# Allegro board FMDEMOD-57.brd (continued)
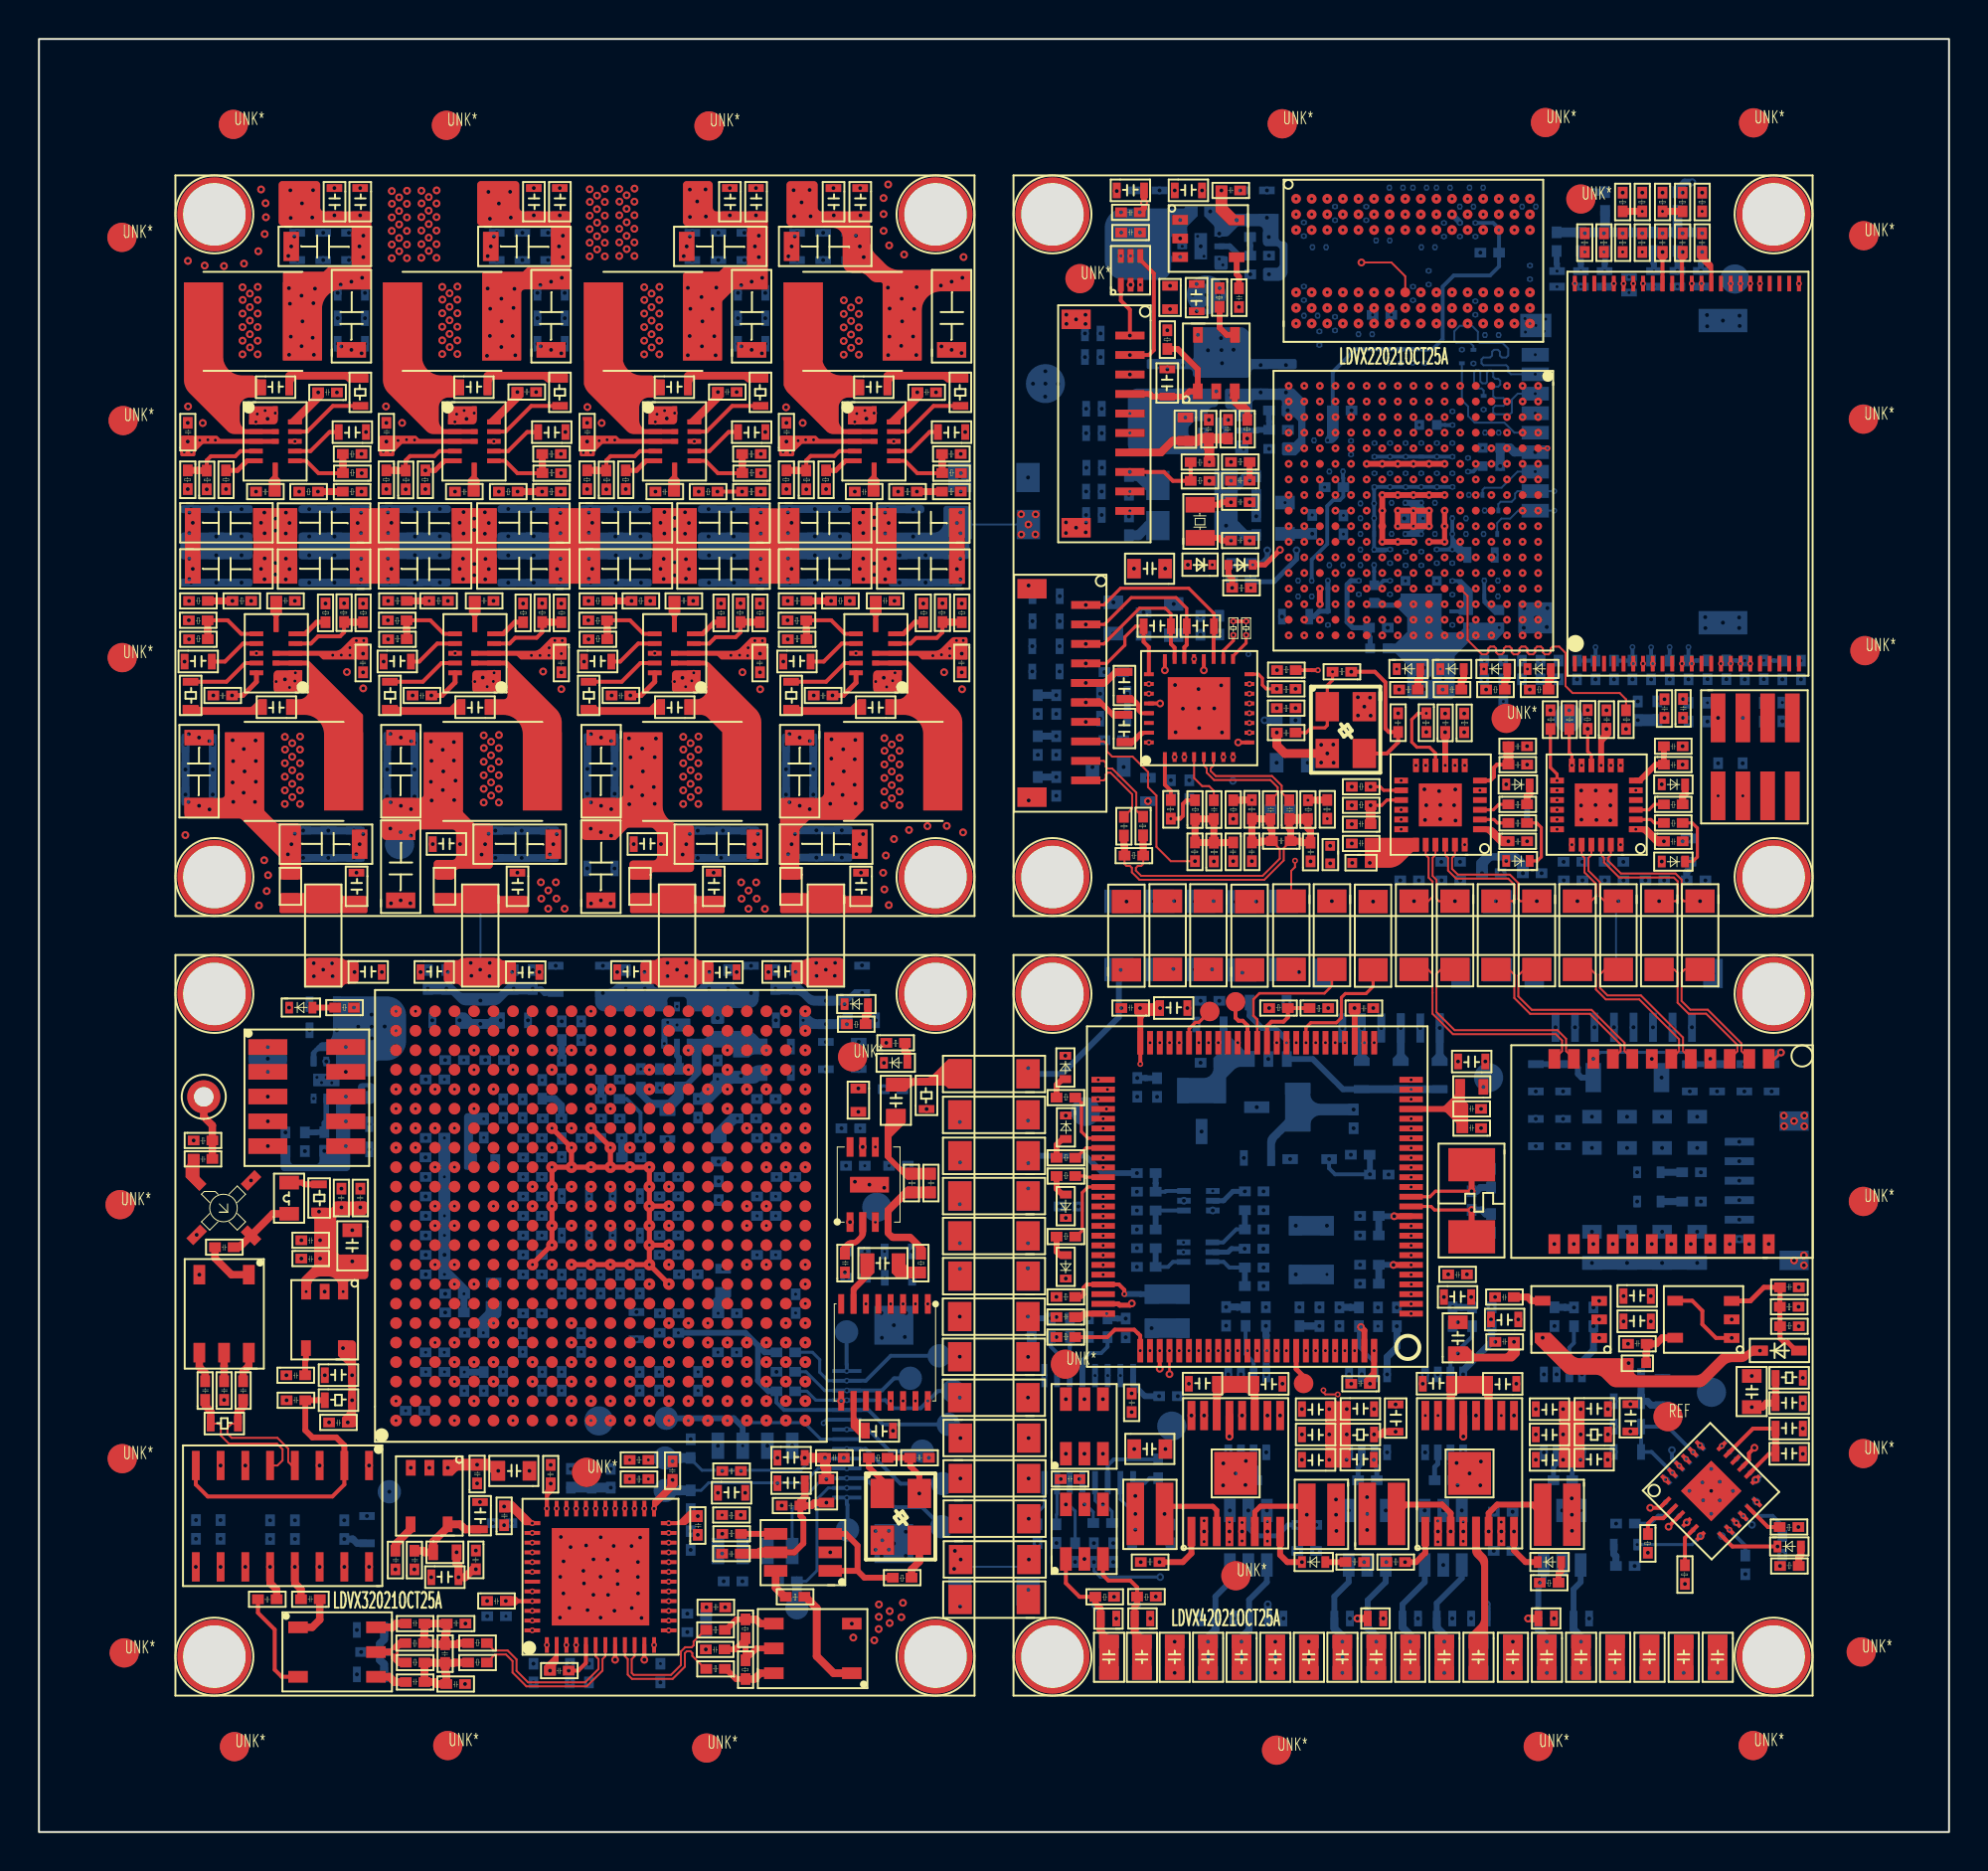
[diagram p0: board, top side]
## Placement (name value [footprint] x y rotation side) (continued)
R151  5.1K  [R0402]  45.5 28.7 90 top
R152  DNP  [R1206]  50.6 29.33 180 top
R153  10K  [R0402]  53.17 27.71 180 top
R154  12K  [R0402]  89.31 26.7 0 top
R155  DNP  [R1206]  50.59 27.25 180 top
R156  68K  [R0402]  90.3 26.2 180 top
R157  10K  [R0402]  53.17 25.65 180 top
R158  0  [R1206]  50.59 25.19 180 top
R159  0  [R0603]  89 22.9 0 top
R160  0  [R1206]  50.59 23.09 180 top
R161  10  [R0603]  14.56 21.75 0 top
R162  51  [R0603]  8.71 20.55 0 top
R163  0  [R0603]  68.6 20.8 180 top
R164  0  [R0603]  80.6 20.8 180 top
R165  DNP  [R1206]  47.42 19.41 0 top
R166  1K  [R0402]  42.57 18.95 0 top
R167  100  [R0402]  30.3 18.84 0 top
R168  DNP  [R1206]  47.42 17.34 0 top
R169  100  [R0402]  30.3 17.86 0 top
R170  0.47  [R3216]  58.2 14.7 90 top
R171  0.47  [R3216]  64.6 17.9 270 top
R172  0.47  [R3216]  70.1 14.7 90 top
R173  0.47  [R3216]  76.7 17.9 270 top
R174  25  [R0402]  35.04 16.02 0 top
R175  DNP  [R1206]  47.43 15.28 0 top
R176  0  [R0402]  89.3 15.4 0 top
R177  100  [R0402]  36.03 15.55 180 top
R178  0  [R0402]  82.3 15.3 270 top
R179  DNP  [R1206]  47.44 13.18 0 top
R180  10K  [R0402]  57.5 14.1 180 top
R181  1K  [R0402]  68 14.1 180 top
R182  10K  [R0402]  70.1 14.1 180 top
R183  1K  [R0402]  90.3 13.9 180 top
R184  0  [R0402]  84.2 13.7 270 top
R185  33  [R0402]  43.8 12.8 0 top
R186  1K  [R0402]  77 12.54 0 top
R187  10K  [R0402]  56.33 11.83 0 top
R188  100  [R0402]  38.3 11.82 0 top
R189  10K  [R0402]  54.19 11.82 0 top
R190  DNP  [R1206]  50.61 12.73 180 top
R191  49.9  [R0402]  36 10.92 270 top
R192  33  [R0402]  35.2 10.62 180 top
R193  DNP  [R0402]  18.79 9.44 0 top
R194  33  [R0402]  22.99 9.94 180 top
R195  DNP  [R0402]  19.79 8.94 180 top
R196  33  [R0402]  22.99 8.94 180 top
R197  33  [R0402]  35.2 8.62 180 top
R198  49.9  [R0402]  36 8.82 270 top
R199  10K  [R0201]  72.35 84.22 180 bottom
R200  10K  [R0201]  70.54 84.52 0 bottom
R201  240  [R0201]  72.95 83.55 0 bottom
R202  DNP  [R0402]  60.1 82.9 180 bottom
R203  240  [R0201]  73.05 82.51 270 bottom
R204  51.1K  [R0402]  62.13 82.09 0 bottom
R205  47K  [R0402]  85.53 82.09 270 bottom
R206  47K  [R0402]  84.31 82.09 270 bottom
R207  47K  [R0402]  83.08 82.09 270 bottom
R208  47K  [R0402]  80.6 82.09 270 bottom
R209  47K  [R0402]  79.36 82.09 270 bottom
R210  47K  [R0402]  78.12 82.09 270 bottom
R211  470  [R0201]  71.58 81.17 180 bottom
R212  40.2K  [R0402]  63.12 80.64 180 bottom
R213  10K  [R0201]  76.65 80.33 270 bottom
R214  51.1K  [R0402]  63.12 79.67 180 bottom
R215  1.5K  [R0201]  70.63 76.03 270 bottom
R216  1.5K  [R0201]  69.72 75.42 90 bottom
R217  22  [R0201]  73.45 75.4 90 bottom
R218  22  [R0201]  73.16 76.01 270 bottom
R219  DNP  [R0402]  61.17 73.48 180 bottom
R220  22  [R0201]  73.97 73.03 90 bottom
R221  51.1K  [R0402]  63.1 73.19 0 bottom
R222  40.2K  [R0402]  64.09 71.7 180 bottom
R223  240  [R0201]  67.17 70.73 90 bottom
R224  51.1K  [R0402]  64.09 70.72 180 bottom
R225  100K  [R1206]  47.4 70.3 0 bottom
R226  10K  [R0402]  62.21 68.59 90 bottom
R227  JMP  [R1206]  57.56 69.89 0 bottom
R228  1K  [R0402]  56.17 69.58 270 bottom
R229  22  [R0201]  73.42 68.76 0 bottom
R230  22  [R0201]  74.22 67.96 0 bottom
R231  0  [R1206]  50.62 66.29 180 bottom
R232  10K  [R0402]  62.71 67.52 270 bottom
R233  JMP  [R1206]  57.56 67.83 0 bottom
R234  1K  [R0402]  55.67 66.53 90 bottom
R235  22  [R0201]  74.17 66.75 0 bottom
R236  47K  [R0402]  90.15 59.13 90 bottom
R237  47K  [R0402]  89.2 59.13 90 bottom
R238  1K  [R0402]  88.75 60.12 270 bottom
R239  47K  [R0402]  87.27 59.13 90 bottom
R240  DNP  [R0402]  86.83 60.12 270 bottom
R241  DNP  [R0402]  85.86 60.12 270 bottom
R242  47K  [R0402]  84.38 59.13 90 bottom
R243  47K  [R0402]  83.42 59.13 90 bottom
R244  47K  [R0402]  82.47 59.13 90 bottom
R245  DNP  [R0402]  81.51 59.13 90 bottom
R246  47K  [R0402]  80.56 59.13 90 bottom
R247  47K  [R0402]  79.61 59.13 90 bottom
R248  DNP  [R0402]  78.66 59.13 90 bottom
R249  47K  [R0402]  77.72 59.13 90 bottom
R250  47K  [R0402]  76.79 59.13 90 bottom
R251  47K  [R0402]  75.84 59.13 90 bottom
R252  47K  [R0402]  74.88 59.13 90 bottom
R253  47K  [R0402]  73.91 59.13 90 bottom
R254  10K  [R0402]  52.44 58.34 270 bottom
R255  10K  [R0402]  82.78 57.05 90 bottom
R256  47K  [R0402]  74.88 57.04 90 bottom
R257  10K  [R0402]  81.78 57.04 90 bottom
R258  1K  [R0402]  89.7 57.96 270 bottom
R259  47K  [R0402]  88.25 56.97 90 bottom
R260  10K  [R0402]  87.29 56.97 90 bottom
R261  47K  [R0402]  85.36 56.97 90 bottom
R262  47K  [R0402]  84.38 56.97 90 bottom
R263  0  [R0402]  64.48 56.8 180 bottom
R264  10K  [R0402]  51.5 56.24 270 bottom
R265  1K  [R0402]  76.36 54.52 180 bottom
R266  1K  [R0402]  87.16 53.87 90 bottom
R267  1K  [R0402]  85.9 53.87 90 bottom
R268  10K  [R0402]  52.44 54.14 270 bottom
R269  NC  [R0402]  51.5 54.14 270 bottom
R270  1K  [R0402]  76.36 51.53 180 bottom
R271  12.1K  [R0402]  80.32 50.03 0 bottom
R272  12.1K  [R0402]  71.94 50.03 0 bottom
R273  49.9  [R0402]  77.11 48.95 180 bottom
R274  49.9  [R0402]  75.01 48.95 180 bottom
R275  49.9  [R0402]  85.51 48.58 180 bottom
R276  49.9  [R0402]  83.39 48.58 180 bottom
R277  49.9  [R0402]  81.31 48.58 180 bottom
R278  49.9  [R0402]  79.2 48.58 180 bottom
R279  49.9  [R0402]  72.93 48.58 180 bottom
R280  49.9  [R0402]  70.81 48.58 180 bottom
R281  DNP  [R1206]  74.03 44.38 90 bottom
R282  0  [R1206]  64.66 47.6 270 bottom
R283  0  [R1206]  60.91 44.38 90 bottom
R284  0  [R1206]  60.4 47.6 270 bottom
R285  0  [R1206]  58.32 47.6 270 bottom
R286  0  [R1206]  56.21 47.6 270 bottom
R287  0  [R1206]  41.18 47.59 270 bottom
R288  0  [R1206]  33.55 47.59 270 bottom
R289  0  [R1206]  23.45 47.59 270 bottom
R290  0  [R1206]  15.39 47.59 270 bottom
R291  560  [R0603]  59.28 41.84 0 bottom
R292  DNP  [R0402]  34.57 40.79 90 bottom
R293  10K  [R0402]  28.07 41.6 270 bottom
R294  0  [R0402]  27.07 41.6 270 bottom
R295  DNP  [R0402]  27.07 39.6 270 bottom
R296  0  [R1206]  50.59 38.09 180 bottom
R297  1K,1%  [R0603]  71.47 38.01 90 bottom
R298  1K,1%  [R0603]  69.47 38.01 90 bottom
R299  1K,1%  [R0603]  67.46 38.01 90 bottom
R300  33  [R0603]  85.7 37.9 90 bottom
R301  33  [R0603]  84.3 37.9 90 bottom
R302  33  [R0603]  77.8 37.9 90 bottom
R303  33  [R0603]  76.4 37.9 90 bottom
R304  51.1K  [R0402]  33.08 39.17 270 bottom
R305  40.2K  [R0402]  31.6 38.18 90 bottom
R306  51.1K  [R0402]  30.63 38.18 90 bottom
R307  DNP  [R0402]  29.81 38.36 180 bottom
R308  DNP  [R0402]  16.55 38.11 90 bottom
R309  10K  [R0402]  57.12 37.71 90 bottom
R310  DNP  [R0402]  25.57 37.61 90 bottom
R311  0  [R0402]  28.82 37.87 0 bottom
R312  0  [R1206]  50.59 35.99 180 bottom
R313  0  [R0402]  25.83 36.87 0 bottom
R314  DNP  [R0402]  29.89 35.86 0 bottom
R315  51.1K  [R0402]  14.89 35.92 270 bottom
R316  40.2K  [R0402]  13.39 34.93 90 bottom
R317  51.1K  [R0402]  12.4 34.93 90 bottom
R318  0  [R1206]  50.61 33.9 180 bottom
R319  0  [R0402]  30.88 34.36 180 bottom
R320  560  [R0603]  61.72 34.99 0 bottom
R321  4.7K  [R0402]  84.3 34.1 0 bottom
R322  33  [R0402]  56.32 34.06 0 bottom
R323  10K  [R0402]  69.25 33.48 180 bottom
R324  DNP  [R0402]  56.32 33.1 0 bottom
R325  0  [R1206]  50.6 31.84 180 bottom
R326  1M  [C0402]  73.26 31.91 90 bottom
R327  6.8K  [R0402]  84.3 32.6 0 bottom
R328  10K  [R0402]  53.34 31.85 180 bottom
R329  33  [R0402]  62.84 31.66 180 bottom
R330  33  [R0402]  56.32 32.14 0 bottom
R331  DNP  [R0402]  62.84 30.67 180 bottom
R332  DNP  [R0402]  56.32 31.17 0 bottom
R333  0  [R1206]  50.59 29.78 180 bottom
R334  DNP  [R0402]  56.32 30.21 0 bottom
R335  0  [R0402]  56.32 29.25 0 bottom
R336  33  [R0402]  62.84 28.72 180 bottom
R337  DNP  [R1206]  50.61 27.72 180 bottom
R338  DNP  [R0402]  62.84 27.76 180 bottom
R339  10  [R0402]  61.66 25.96 90 bottom
R340  10  [R0402]  78.51 25.94 90 bottom
R341  10  [R0402]  73.28 25.94 90 bottom
R342  10  [R0402]  67.47 25.94 90 bottom
R343  0  [R0402]  65.95 26.93 270 bottom
R344  DNP  [R0402]  64.92 26.93 270 bottom
R345  0  [R0402]  53.62 25.39 90 bottom
R346  DNP  [R0402]  52.65 25.39 90 bottom
R347  0  [R0402]  51.66 25.39 90 bottom
R348  DNP  [R0402]  50.69 25.39 90 bottom
R349  DNP  [R0402]  54.58 25.38 90 bottom
R350  0  [R0402]  55.51 25.38 90 bottom
R351  10K  [R0402]  27.57 24.62 90 bottom
R352  1K  [R0402]  37.83 24.86 0 bottom
R353  1K  [R0402]  37.83 23.86 0 bottom
R354  0  [R0603]  82.3 23 180 bottom
R355  10K  [R0402]  21.57 22.63 90 bottom
R356  1K  [R0402]  37.83 22.86 0 bottom
R357  10K  [R0402]  33.19 19.18 90 bottom
R358  2.05K,1%  [R0402]  78.68 17.8 180 bottom
R359  2.05K,1%  [R0402]  72.58 17.8 180 bottom
R360  2.05K,1%  [R0402]  68.65 17.8 180 bottom
R361  2.05K,1%  [R0402]  62.47 17.8 180 bottom
R362  10K  [R0402]  33.69 17.54 270 bottom
R363  0  [R0402]  81.89 15.58 180 bottom
R364  10  [R0603]  16.43 14.72 90 bottom
R365  51  [R0402]  12.88 15.03 90 bottom
R366  51  [R0402]  11.61 15.03 90 bottom
R367  51  [R0402]  8.31 16.02 270 bottom
R368  0  [R0402]  52.45 15.8 270 bottom
R369  DNP  [R0402]  51.48 15.8 270 bottom
R370  0  [R0402]  89.7 15.2 270 bottom
R371  DNP  [R0402]  55.37 14.83 270 bottom
R372  0  [R0402]  54.37 14.83 270 bottom
R373  0  [R0402]  87.8 14.2 270 bottom
R374  1K  [R0402]  80.9 13.9 0 bottom
R375  10K  [R0402]  38.9 12.61 180 bottom
R376  0  [R1206]  50.6 11.54 180 bottom
R377  10K  [R0402]  56.33 12.33 0 bottom
R378  10K  [R0402]  54.18 12.33 0 bottom
REF  -  [unnamed#2]  83.58 21.31 0 top
T1  M3295NL  [SMD-M3295NL]  90.8 39.9 180 top
T2  ETC1-1T-2TR  [SM-22]  11.41 28.5 180 top
T3  ETC1-1T-2TR  [SM-22]  41.6 7.51 90 top
T4  ETC1-1T-2TR  [SM-22]  13.39 11.14 270 top
TP1  T POINT R  [TP_SMD_CIR_1D0]  61.39 42.59 0 top
TP2  T POINT R  [TP_SMD_CIR_1D0]  60.07 42.1 0 top
TP3  T POINT R  [TP_THR_CIR_1D7_1D0]  8.46 37.72 0 top
TP4  T POINT R  [TP_SMD_CIR_1D0]  64.88 23.02 0 top
TP5  T POINT R  [TP_SMD_CIR_2D0]  56.22 80.95 180 bottom
TP6  T POINT R  [TP_SMD_CIR_2D0]  59.89 78.87 180 bottom
TP7  T POINT R  [TP_SMD_CIR_2D0]  60.67 76.04 180 bottom
TP8  T POINT R  [TP_SMD_CIR_2D0]  51.64 74.32 180 bottom
TP9  T POINT R  [TP_SMD_CIR_2D0]  57.46 71.91 180 bottom
TP10  T POINT R  [TP_SMD_CIR_2D0]  71.38 59.19 180 bottom
TP11  T POINT R  [TP_SMD_CIR_2D0]  17.07 41.32 180 bottom
TP12  T POINT R  [TP_SMD_CIR_2D0]  11.74 39.68 180 bottom
TP13  T POINT S  [TP_SMD_CIR_1D2]  41.44 25.66 180 bottom
TP14  T POINT S  [TP_SMD_CIR_1D2]  46.19 24.43 180 bottom
TP15  T POINT S  [TP_SMD_CIR_1D2]  44.7 23.28 180 bottom
TP16  T POINT S  [TP_SMD_CIR_1D2]  46.9 22.63 180 bottom
TP17  T POINT S  [TP_SMD_CIR_1D2]  32.19 21.23 180 bottom
TP18  T POINT S  [TP_SMD_CIR_1D2]  46.66 20.92 180 bottom
TP19  T POINT S  [TP_SMD_CIR_1D2]  45.32 19.54 180 bottom
TP20  T POINT S  [TP_SMD_CIR_1D2]  32.12 19.19 180 bottom
TP21  T POINT S  [TP_SMD_CIR_1D2]  46.37 17.87 180 bottom
TP22  T POINT S  [TP_SMD_CIR_1D2]  32.13 17.52 180 bottom
TP23  T POINT S  [TP_SMD_CIR_1D2]  17.98 17.46 180 bottom
TP24  T POINT S  [TP_SMD_CIR_1D2]  46.32 15.66 180 bottom
TP25  T POINT S  [TP_SMD_CIR_1D2]  41.48 15.5 180 bottom
TP26  T POINT S  [TP_SMD_CIR_1D2]  38.89 11.5 180 bottom
TP27  T POINT R  [SCREW-M3]  9 83 0 top
TP28  T POINT R  [SCREW-M3]  46 83 0 top
TP29  T POINT R  [SCREW-M3]  9 49 0 top
TP30  T POINT R  [SCREW-M3]  46 49 0 top
TP31  T POINT R  [SCREW-M3]  52 83 0 top
TP32  T POINT R  [SCREW-M3]  89 83 0 top
TP33  T POINT R  [SCREW-M3]  52 49 0 top
TP34  T POINT R  [SCREW-M3]  89 49 0 top
TP35  T POINT R  [SCREW-M3]  52 43 0 top
TP36  T POINT R  [SCREW-M3]  89 43 0 top
TP37  T POINT R  [SCREW-M3]  52 9 0 top
TP38  T POINT R  [SCREW-M3]  89 9 0 top
TP39  T POINT R  [SCREW-M3]  46 9 0 top
TP40  T POINT R  [SCREW-M3]  9 9 0 top
TP41  T POINT R  [SCREW-M3]  9 43 0 top
TP42  T POINT R  [SCREW-M3]  46 43 0 top
U1  SGM2028-3.3  [SOT-23-5]  60 81.76 270 top
U2  NT5CC256M16EP-EK  [VFBGA-96]  64.5 77.4 90 top
U3  SN74LVC2G34DRL  [SOT-6]  55.51 79.39 90 top
U4  SY6280AAAC  [SOT-23-5]  60.41 75.37 0 top
U5  MP2326GD  [QFN-14]  12.12 71.35 0 top
U6  MP2326GD  [QFN-14]  22.33 71.35 0 top
U7  MP2326GD  [QFN-14]  32.61 71.35 0 top
U8  MP2326GD  [QFN-14]  42.85 71.35 0 top
U9  MT29F4G08ABADAWP-IT  [TSOP-48]  84.6 69.7 90 top
U10  MCIMX6Y2CVM05AB  [MAPBGA-289]  76.92 74.2 270 top
U11  MP2326GD  [QFN-14]  12.17 60.48 180 top
U12  MP2326GD  [QFN-14]  22.36 60.48 180 top
U13  MP2326GD  [QFN-14]  32.61 60.48 180 top
U14  MP2326GD  [QFN-14]  42.93 60.48 180 top
U15  WM8960CGEFL/V  [QFN-32]  59.52 57.66 90 top
U16  LAN8720Ai-CP-TR  [QFN-24]  71.9 52.7 180 top
U17  LAN8720Ai-CP-TR  [QFN-24]  79.9 52.7 180 top
U18  TPA711  [MSOP-8-PAD]  41.61 34.91 0 top
U19  STM32F103VET6  [LQFP-100]  62.5 32.6 90 top
U20  EP4CE40F23I7  [FBGA-484]  18.32 21.11 90 top
U21  SGM2028-3.3  [SOT-23-5]  78.6 26.3 90 top
U22  MCP6001T-I/OT  [SOT-23-5]  85.4 26.3 90 top
U23  SGM2028-3.3  [SOT-23-5]  14.66 26.28 180 top
U24  PCM1754  [SSOP-16]  40.9 27.7 270 top
U25  SN74LVC2G34DBVR  [SOT-23-6]  52.69 19.41 90 top
U26  DRV8848PWPR  [HTSSOP-16]  61.4 18.4 90 top
U27  DRV8848PWPR  [HTSSOP-16]  73.4 18.4 90 top
U28  DRV8846RGER  [VQFN-24]  85.8 17.5 45 top
U29  SGM2028-3.3  [SOT-23-5]  20.03 17.24 180 top
U30  AD8306AR  [SO-16]  12.5 16.2 180 top
U31  SN74LVC2G34DBVR  [SOT-23-6]  52.69 14.01 90 top
U32  SN74LVC2G34DBVR  [SOT-23-6]  40.6 13.4 180 top
U33  LTC2207  [QFN-48]  28.81 13.1 90 top
U34  TPS74601PBQWDRVRQ1  [WSON-6]  59.61 81.36 180 bottom
U35  TPS74601PBQWDRVRQ1  [WSON-6]  60.67 71.9 180 bottom
U36  TPS74601PBQWDRVRQ1  [WSON-6]  32.74 41.41 90 bottom
U37  MCP6001T-I/OT  [SOT-23-5]  63.08 41.11 180 bottom
U38  TPS74601PBQWDRVRQ1  [WSON-6]  14.74 38.59 90 bottom
U39  TL431AIDBZT  [SOT-23-3]  64.88 35.67 180 bottom
U40  TL431AIDBZT  [SOT-23-3]  61.17 38.34 270 bottom
U41  SN74LVC2G34DRL  [SOT-6]  58.74 31.89 0 bottom
U42  SN74LVC2G34DRL  [SOT-6]  58.72 29.25 0 bottom
U43  AD8226ARMZ  [MSOP-8]  79.8 18.9 180 bottom
U44  AD8226ARMZ  [MSOP-8]  73.7 18.9 180 bottom
U45  AD8226ARMZ  [MSOP-8]  69.8 18.9 180 bottom
U46  AD8226ARMZ  [MSOP-8]  63.6 18.9 180 bottom
U47  SP3232EEY  [TSSOP-16]  56.13 23.42 180 bottom
U48  DRV8846RGER  [VQFN-24]  85.8 17.5 135 bottom
U49  EPCQ16ASI8N  [SO-8]  38.65 19.82 180 bottom
U50  SN74LVC2G34DBVR  [SOT-23-6]  79.1 13.7 90 bottom
U51  SN74LVC2G34DBVR  [SOT-23-6]  73 13.7 90 bottom
U52  SN74LVC2G34DBVR  [SOT-23-6]  69.1 13.7 90 bottom
U53  SN74LVC2G34DBVR  [SOT-23-6]  63 13.7 90 bottom
UNK3VBATTERY1  COIN_3V  [C0805]  57.98 65.44 180 top
UNK*  -  [unnamed#2]  52.66 24 0 top
UNK*#2  -  [unnamed#2]  93.69 60.62 0 top
UNK*#3  -  [unnamed#2]  93.5 9.24 0 top
UNK*#4  -  [unnamed#2]  10.03 4.38 0 top
UNK*#5  -  [unnamed#2]  93.61 19.42 0 top
UNK*#6  -  [unnamed#2]  61.41 13.15 0 top
UNK*#7  -  [unnamed#2]  4.16 32.19 0 top
UNK*#8  -  [unnamed#2]  77.3 87.71 0 top
UNK*#9  -  [unnamed#2]  63.5 4.2 0 top
UNK*#10  -  [unnamed#2]  4.25 81.82 0 top
UNK*#11  -  [unnamed#2]  4.32 72.42 0 top
UNK*#12  -  [unnamed#2]  75.28 57.14 0 top
UNK*#13  -  [unnamed#2]  76.92 4.39 0 top
UNK*#14  -  [unnamed#2]  93.61 32.36 0 top
UNK*#15  -  [unnamed#2]  4.27 19.16 0 top
UNK*#16  -  [unnamed#2]  28.1 18.46 0 top
UNK*#17  -  [unnamed#2]  34.38 87.54 0 top
UNK*#18  -  [unnamed#2]  9.97 87.62 0 top
UNK*#19  -  [unnamed#2]  41.74 39.77 0 top
UNK*#20  -  [unnamed#2]  53.41 79.7 0 top
UNK*#21  -  [unnamed#2]  87.95 4.44 0 top
UNK*#22  -  [unnamed#2]  20.9 87.57 0 top
UNK*#23  -  [unnamed#2]  93.61 72.49 0 top
UNK*#24  -  [unnamed#2]  93.62 81.91 0 top
UNK*#25  -  [unnamed#2]  34.26 4.31 0 top
UNK*#26  -  [unnamed#2]  4.27 60.26 0 top
UNK*#27  -  [unnamed#2]  20.98 4.44 0 top
UNK*#28  -  [unnamed#2]  79.11 83.79 0 top
UNK*#29  -  [unnamed#2]  4.37 9.19 0 top
UNK*#30  -  [unnamed#2]  87.97 87.7 0 top
UNK*#31  -  [unnamed#2]  63.79 87.65 0 top
UNK*#32  -  [unnamed#2]  93.63 81.91 180 bottom
UNK*#33  -  [unnamed#2]  28.73 21.09 180 bottom
UNK*#34  -  [unnamed#2]  77.29 87.71 180 bottom
UNK*#35  -  [unnamed#2]  93.68 60.62 180 bottom
UNK*#36  -  [unnamed#2]  93.5 9.25 180 bottom
UNK*#37  -  [unnamed#2]  93.6 72.5 180 bottom
UNK*#38  -  [unnamed#2]  4.28 60.26 180 bottom
UNK*#39  -  [unnamed#2]  22.31 65.96 180 bottom
UNK*#40  -  [unnamed#2]  63.79 87.65 180 bottom
UNK*#41  -  [unnamed#2]  53.7 36.97 180 bottom
UNK*#42  -  [unnamed#2]  74.38 38.71 180 bottom
UNK*#43  -  [unnamed#2]  93.61 32.36 180 bottom
UNK*#44  -  [unnamed#2]  18.5 50.67 180 bottom
UNK*#45  -  [unnamed#2]  32.65 65.96 180 bottom
UNK*#46  -  [unnamed#2]  20.97 4.44 180 bottom
UNK*#47  -  [unnamed#2]  10.03 4.38 180 bottom
UNK*#48  -  [unnamed#2]  63.49 4.2 180 bottom
UNK*#49  -  [unnamed#2]  4.38 9.19 180 bottom
UNK*#50  -  [unnamed#2]  93.61 19.42 180 bottom
UNK*#51  -  [unnamed#2]  85.81 22.56 180 bottom
UNK*#52  -  [unnamed#2]  87.01 79.68 180 bottom
UNK*#53  -  [unnamed#2]  9.97 87.62 180 bottom
UNK*#54  -  [unnamed#2]  87.97 87.7 180 bottom
UNK*#55  -  [unnamed#2]  58.12 20.83 180 bottom
UNK*#56  -  [unnamed#2]  34.26 4.31 180 bottom
UNK*#57  -  [unnamed#2]  87.95 4.44 180 bottom
UNK*#58  -  [unnamed#2]  34.38 87.53 180 bottom
UNK*#59  -  [unnamed#2]  76.92 4.39 180 bottom
UNK*#60  -  [unnamed#2]  42.99 32.06 180 bottom
UNK*#61  -  [unnamed#2]  4.16 32.19 180 bottom
UNK*#62  -  [unnamed#2]  78.47 57.16 180 bottom
UNK*#63  -  [unnamed#2]  4.26 81.82 180 bottom
UNK*#64  -  [unnamed#2]  4.32 72.42 180 bottom
UNK*#65  -  [unnamed#2]  20.9 87.57 180 bottom
UNK*#66  -  [unnamed#2]  4.27 19.16 180 bottom
Y1  32.768KHz  [FC-12M]  60.18 66.19 90 top
Y2  24MHz  [TSX-3225-4P]  65.8 58.17 270 top
Y3  8MHz  [CRY5032]  72 34.9 270 top
Y4  KC3225A49.1520C30E00  [TSX-3225-4P]  42.97 17.8 270 top

## Library data of the parts
A1 = ERA-2SM
C1-C21 C23-C82 C84-C96 C98-C135 C137 C140-C142 C144 C147 C148 C150-C152 C154 C156 C163 C165-C167 C169 C170 C174 C177-C188 C190-C202 C204-C210 C212-C214 C217 C218 C223-C241 C245-C478 C480-C491 C496-C524 C526-C531 C533 C534 C539-C545 C547-C552 C554-C572 C574-C603 C607-C616 C618-C641 = CAP NP
C22 C136 C138 C139 C143 C145 C146 C149 C153 C155 C157-C162 C164 C168 C171-C173 C175 C176 C189 C203 C211 C215 C216 C221 C479 C492-C495 C525 C532 C535-C538 C546 C553 C573 C604-C606 = CAP NP: signal model: DEFAULT_CAPACITOR_100000pF_2_1
C83 C97 = CAP
C219 C242 C243 C617 = CAP NP: signal model: DEFAULT_CAPACITOR_1e+06pF_2_1
C220 C222 C244 = CAP NP: signal model: DEFAULT_CAPACITOR_8.200000pF_2_1
D1 D2 = RB521S-30
D3-D17 D19-D21 D41-D43 = LED
D18 D40 = 1N4148WT
D22-D39 D44-D55 = DIODE BI-DIR TRIG
J1 J2 = HEADER1X10
J3 = HEADER-2X4
J4 = HEADER-2X5P
J5 = MicroSDSlot
J6 = HEADER1X8_0
J7 J8 = HEADER1x6_1
J9 = FPC-14P-0.5
L1 L6 L11-L18 L20-L41 = BEAD
L2-L5 L7-L10 = INDUCTOR
L19 = INDUCTOR: signal model: DEFAULT_INDUCTOR_1000nH_2_1
R1-R9 R21 R48 R73 R74 R79-R85 R90-R100 R107 R108 R121-R128 R199-R201 R203 R205-R211 R213 R215-R218 R220 R223 R226 R228-R230 R232 R234 R236-R280 R300-R303 = R_2
R10-R20 R22-R47 R49-R72 R75-R78 R86-R89 R101-R106 R109-R120 R129-R141 R143-R147 R149-R160 R163-R173 R175-R184 R186-R190 R202 R204 R212 R214 R219 R221 R222 R224 R225 R227 R231 R233 R281-R293 R296-R299 R304-R306 R308 R309 R312 R315-R318 R320-R351 R354 R355 R357-R363 R368-R378 = R
R142 R191 R198 = R: signal model: DEFAULT_RESISTOR_49.900000OHM_2_1
R148 R161 R162 R185 R364-R367 = R: signal model: DEFAULT_RESISTOR_39.000000OHM_2_1
R174 R192-R197 R294 R295 R307 R310 R311 R313 R314 R319 R352 R353 R356 = R: signal model: DEFAULT_RESISTOR_22.000000OHM_2_1
R235 = R_2: signal model: R_R0201_DISCRETE_22_22
T1 = M3295NL
T2-T4 = ADT2-1T+_0
TP1-TP12 TP27-TP42 = T POINT R
TP13-TP26 = T POINT S
U1 U21 U23 U29 = SGM2028-3.3
U2 = NT5CC256M16EP-EK
U3 U25 U31 U41 U42 U50-U53 = SN74LVC2G34DRL
U4 = SY6280AAAC
U5-U8 U11-U14 = MP2326GD
U9 = MT29F4G08ABADAWP-IT_0
U10 = MCIMX6Y2CVM05AB_0
U15 = WM8960_0
U16 U17 = LAN8720A
U18 = TPA711
U19 = STM32F103VET6
U20 = EP4CE40F23I7_6
U22 U37 = MCP6001T-I/OT
U24 = PCM1754
U26 U27 = DRV8848PWPR
U28 U48 = DRV8846RGER
U30 = AD8306AR_0
U32 = SN74LVC2G34DBV
U33 = LTC2207
U34-U36 U38 = TPS74601PBQWDRVRQ1
U39 U40 = TL431AIDBZT
U43-U46 = AD8226ARMZ
U47 = SP3232EEY
U49 = EPCS4SI8N_0
UNK3VBATTERY1 = BATTERY
Y1 Y3 = CRYSTAL
Y2 = Crystal
Y4 = OSCILLATOR

## Footprints (pads in the part's own frame, mm; a bottom-side part is the same pattern mirrored in y, then rotated)
C0201
  rect 0.2x0.3 smd: 1(-0.05,0.15) 2(0.65,0.15)
C0402
  rect 0.6x0.5 smd: 1(0.01,0.25) 2(0.97,0.25)
C0603
  rect 0.4x0.8 smd: 1(0.1,0.4) 2(1.5,0.4)
C0805
  rect 0.7x1 smd: 1(0.2,0.62) 2(1.8,0.62)
C1206
  rect 0.8x1.5 smd: 1(-0.15,0.79) 2(3.35,0.79)
CD54-IND-2P
  rect 2x4 smd: 1(0,2.54) 2(5.08,2.54)
CRY5032
  rect 1.7x2.4 smd: 1(0.66,1.51) 2(4.36,1.51)
DF1006
  rect 0.4x0.8 smd: 1(0.1,0.3) 2(0.9,0.3)
ERA-2SM
  rect 1x0.5 smd: 1(-2,0) 3(2,0)
  rect 0.5x1 smd: 2(0,-1.945) 4(0,2)
FB0402
  rect 0.5x0.5 smd: 1(0.05,0.24) 2(0.95,0.24)
FB0603
  rect 0.5x0.8 smd: 1(0.2,0.4) 2(1.4,0.4)
FBGA-484
  round 0.6 smd: A1(0,0) A2(1,0) A3(2,0) A4(3,0) A5(4,0) A6(5,0) A7(6,0) A8(7,0) A9(8,0) A10(9,0) A11(10,0) A12(11,0) A13(12,0) A14(13,0) A15(14,0) A16(15,0) A17(16,0) A18(17,0) A19(18,0) A20(19,0) A21(20,0) A22(21,0) AA1(0,-20) AA2(1,-20) AA3(2,-20) AA4(3,-20) AA5(4,-20) AA6(5,-20) AA7(6,-20) AA8(7,-20) AA9(8,-20) AA10(9,-20) AA11(10,-20) AA12(11,-20) AA13(12,-20) AA14(13,-20) AA15(14,-20) AA16(15,-20) AA17(16,-20) AA18(17,-20) AA19(18,-20) AA20(19,-20) AA21(20,-20) AA22(21,-20) AB1(0,-21) AB2(1,-21) AB3(2,-21) AB4(3,-21) AB5(4,-21) AB6(5,-21) AB7(6,-21) AB8(7,-21) AB9(8,-21) AB10(9,-21) AB11(10,-21) AB12(11,-21) AB13(12,-21) AB14(13,-21) AB15(14,-21) AB16(15,-21) AB17(16,-21) AB18(17,-21) AB19(18,-21) AB20(19,-21) AB21(20,-21) AB22(21,-21) B1(0,-1) B2(1,-1) B3(2,-1) B4(3,-1) B5(4,-1) B6(5,-1) B7(6,-1) B8(7,-1) B9(8,-1) B10(9,-1) B11(10,-1) B12(11,-1) B13(12,-1) B14(13,-1) B15(14,-1) B16(15,-1) B17(16,-1) B18(17,-1) B19(18,-1) B20(19,-1) B21(20,-1) B22(21,-1) C1(0,-2) C2(1,-2) C3(2,-2) C4(3,-2) C5(4,-2) C6(5,-2) C7(6,-2) C8(7,-2) C9(8,-2) C10(9,-2) C11(10,-2) C12(11,-2) C13(12,-2) C14(13,-2) C15(14,-2) C16(15,-2) C17(16,-2) C18(17,-2) C19(18,-2) C20(19,-2) C21(20,-2) C22(21,-2) D1(0,-3) D2(1,-3) D3(2,-3) D4(3,-3) D5(4,-3) D6(5,-3) D7(6,-3) D8(7,-3) D9(8,-3) D10(9,-3) D11(10,-3) D12(11,-3) D13(12,-3) D14(13,-3) D15(14,-3) D16(15,-3) D17(16,-3) D18(17,-3) D19(18,-3) D20(19,-3) D21(20,-3) D22(21,-3) E1(0,-4) E2(1,-4) E3(2,-4) E4(3,-4) E5(4,-4) E6(5,-4) E7(6,-4) E8(7,-4) E9(8,-4) E10(9,-4) E11(10,-4) E12(11,-4) E13(12,-4) E14(13,-4) E15(14,-4) E16(15,-4) E17(16,-4) E18(17,-4) E19(18,-4) E20(19,-4) E21(20,-4) E22(21,-4) F1(0,-5) F2(1,-5) F3(2,-5) F4(3,-5) F5(4,-5) F6(5,-5) F7(6,-5) F8(7,-5) F9(8,-5) F10(9,-5) F11(10,-5) F12(11,-5) F13(12,-5) F14(13,-5) F15(14,-5) F16(15,-5) F17(16,-5) F18(17,-5) F19(18,-5) F20(19,-5) F21(20,-5) F22(21,-5) G1(0,-6) G2(1,-6) G3(2,-6) G4(3,-6) G5(4,-6) G6(5,-6) G7(6,-6) G8(7,-6) G9(8,-6) G10(9,-6) G11(10,-6) G12(11,-6) G13(12,-6) G14(13,-6) G15(14,-6) G16(15,-6) G17(16,-6) G18(17,-6) G19(18,-6) G20(19,-6) G21(20,-6) G22(21,-6) H1(0,-7) H2(1,-7) H3(2,-7) H4(3,-7) H5(4,-7) H6(5,-7) H7(6,-7) H8(7,-7) H9(8,-7) H10(9,-7) H11(10,-7) H12(11,-7) H13(12,-7) H14(13,-7) H15(14,-7) H16(15,-7) H17(16,-7) H18(17,-7) H19(18,-7) H20(19,-7) H21(20,-7) H22(21,-7) J1(0,-8) J2(1,-8) J3(2,-8) J4(3,-8) J5(4,-8) J6(5,-8) J7(6,-8) J8(7,-8) J9(8,-8) J10(9,-8) J11(10,-8) J12(11,-8) J13(12,-8) J14(13,-8) J15(14,-8) J16(15,-8) J17(16,-8) J18(17,-8) J19(18,-8) J20(19,-8) J21(20,-8) J22(21,-8) K1(0,-9) K2(1,-9) K3(2,-9) K4(3,-9) K5(4,-9) K6(5,-9) K7(6,-9) K8(7,-9) K9(8,-9) K10(9,-9) K11(10,-9) K12(11,-9) K13(12,-9) K14(13,-9) K15(14,-9) K16(15,-9) K17(16,-9) K18(17,-9) K19(18,-9) K20(19,-9) K21(20,-9) K22(21,-9) L1(0,-10) L2(1,-10) L3(2,-10) L4(3,-10) L5(4,-10) L6(5,-10) L7(6,-10) L8(7,-10) L9(8,-10) L10(9,-10) L11(10,-10) L12(11,-10) L13(12,-10) L14(13,-10) L15(14,-10) L16(15,-10) L17(16,-10) L18(17,-10) L19(18,-10) L20(19,-10) L21(20,-10) L22(21,-10) M1(0,-11) M2(1,-11) M3(2,-11) M4(3,-11) M5(4,-11) M6(5,-11) M7(6,-11) M8(7,-11) M9(8,-11) M10(9,-11) M11(10,-11) M12(11,-11) M13(12,-11) M14(13,-11) M15(14,-11) M16(15,-11) M17(16,-11) M18(17,-11) M19(18,-11) M20(19,-11) M21(20,-11) M22(21,-11) N1(0,-12) N2(1,-12) N3(2,-12) N4(3,-12) N5(4,-12) N6(5,-12) N7(6,-12) N8(7,-12) N9(8,-12) N10(9,-12) N11(10,-12) N12(11,-12) N13(12,-12) N14(13,-12) N15(14,-12) N16(15,-12) N17(16,-12) N18(17,-12) N19(18,-12) N20(19,-12) N21(20,-12) N22(21,-12) P1(0,-13) P2(1,-13) P3(2,-13) P4(3,-13) P5(4,-13) P6(5,-13) P7(6,-13) P8(7,-13) P9(8,-13) P10(9,-13) P11(10,-13) P12(11,-13) P13(12,-13) P14(13,-13) P15(14,-13) P16(15,-13) P17(16,-13) P18(17,-13) P19(18,-13) P20(19,-13) P21(20,-13) P22(21,-13) R1(0,-14) R2(1,-14) R3(2,-14) R4(3,-14) R5(4,-14) R6(5,-14) R7(6,-14) R8(7,-14) R9(8,-14) R10(9,-14) R11(10,-14) R12(11,-14) R13(12,-14) R14(13,-14) R15(14,-14) R16(15,-14) R17(16,-14) R18(17,-14) R19(18,-14) R20(19,-14) R21(20,-14) R22(21,-14) T1(0,-15) T2(1,-15) T3(2,-15) T4(3,-15) T5(4,-15) T6(5,-15) T7(6,-15) T8(7,-15) T9(8,-15) T10(9,-15) T11(10,-15) T12(11,-15) T13(12,-15) T14(13,-15) T15(14,-15) T16(15,-15) T17(16,-15) T18(17,-15) T19(18,-15) T20(19,-15) T21(20,-15) T22(21,-15) U1(0,-16) U2(1,-16) U3(2,-16) U4(3,-16) U5(4,-16) U6(5,-16) U7(6,-16) U8(7,-16) U9(8,-16) U10(9,-16) U11(10,-16) U12(11,-16) U13(12,-16) U14(13,-16) U15(14,-16) U16(15,-16) U17(16,-16) U18(17,-16) U19(18,-16) U20(19,-16) U21(20,-16) U22(21,-16) V1(0,-17) V2(1,-17) V3(2,-17) V4(3,-17) V5(4,-17) V6(5,-17) V7(6,-17) V8(7,-17) V9(8,-17) V10(9,-17) V11(10,-17) V12(11,-17) V13(12,-17) V14(13,-17) V15(14,-17) V16(15,-17) V17(16,-17) V18(17,-17) V19(18,-17) V20(19,-17) V21(20,-17) V22(21,-17) W1(0,-18) W2(1,-18) W3(2,-18) W4(3,-18) W5(4,-18) W6(5,-18) W7(6,-18) W8(7,-18) W9(8,-18) W10(9,-18) W11(10,-18) W12(11,-18) W13(12,-18) W14(13,-18) W15(14,-18) W16(15,-18) W17(16,-18) W18(17,-18) W19(18,-18) W20(19,-18) W21(20,-18) W22(21,-18) Y1(0,-19) Y2(1,-19) Y3(2,-19) Y4(3,-19) Y5(4,-19) Y6(5,-19) Y7(6,-19) Y8(7,-19) Y9(8,-19) Y10(9,-19) Y11(10,-19) Y12(11,-19) Y13(12,-19) Y14(13,-19) Y15(14,-19) Y16(15,-19) Y17(16,-19) Y18(17,-19) Y19(18,-19) Y20(19,-19) Y21(20,-19) Y22(21,-19)
